# KiCad board we816.kicad_pcb (continued)
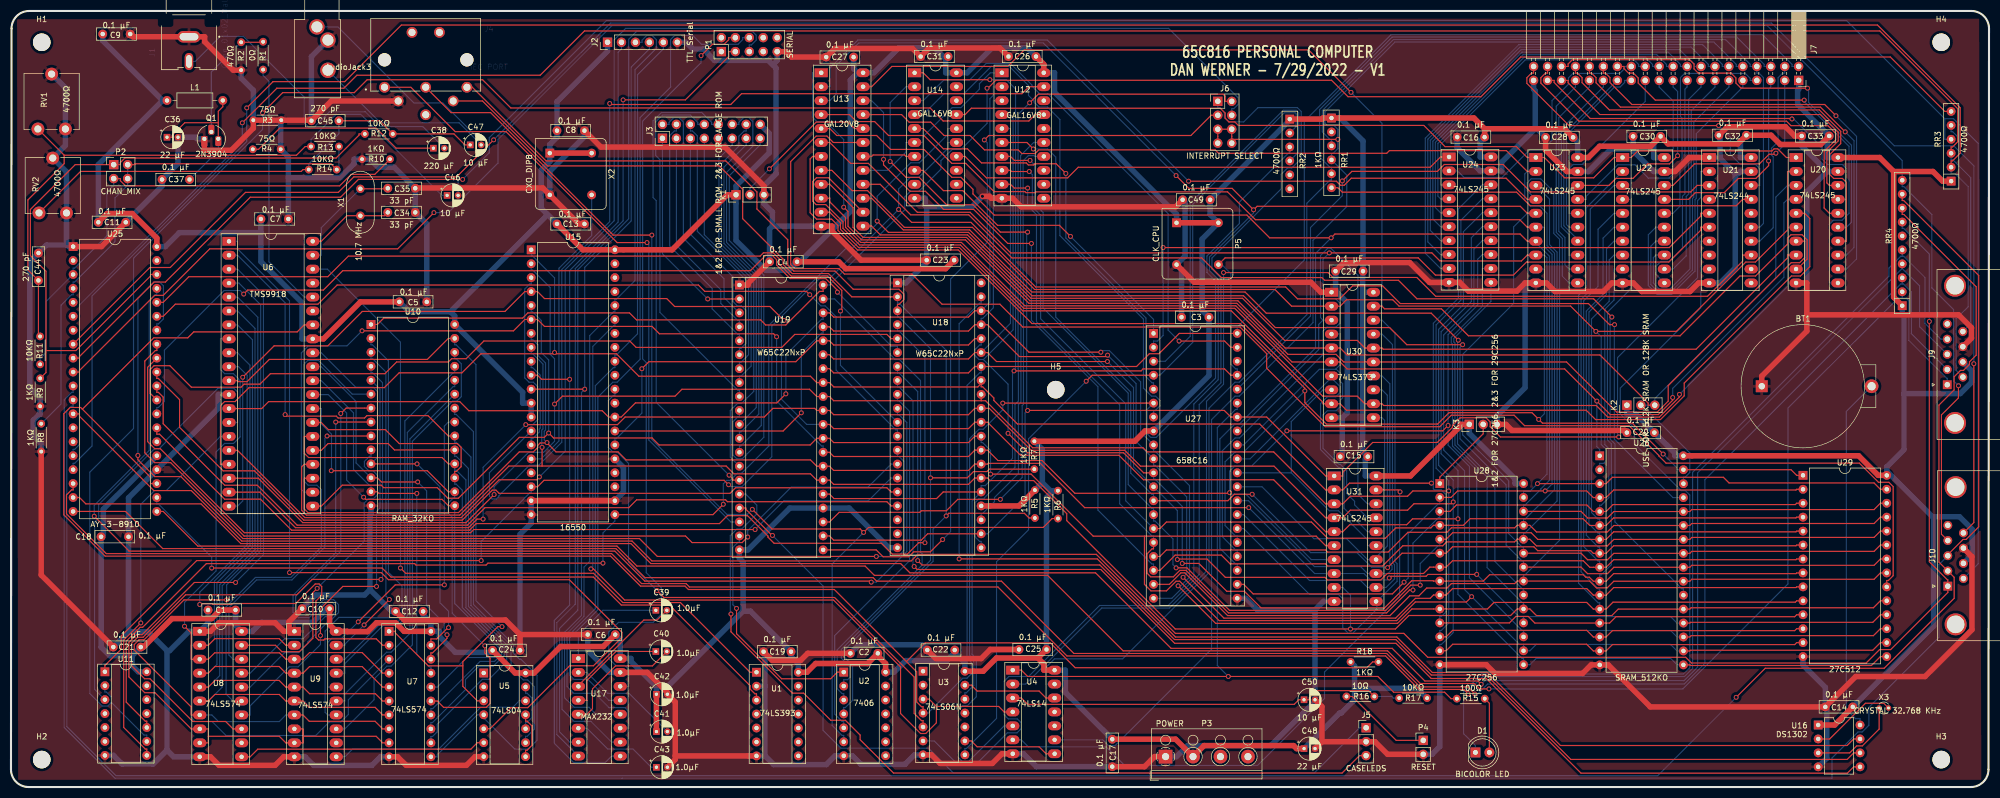
[diagram p0: board, top side]
## Routing (per net, layer and track width the routed paths; a pad name or vN(x,y) marks a point on that pad's centre or on a via; arc(x,y) is an arc through that point) (continued)
VROW: length 45.1
  Component w0.203: U8.11 43.54,5.51 44.92,6.89 83.72,6.89 84.9,8.08 U5.6
VRW: length 136.1
  Component w0.203: 82.26,22.08 82.26,22.85 88.63,29.22 v1(89.39,29.22) ; 82.26,22.08 75.95,22.08 69.98,28.06 69.98,28.37 U7.1 ; 82.26,22.08 82.26,18.35 84.9,15.7 U5.3 ; U10.27 79.62,81.74 75.79,77.91 47.02,77.91 42.98,73.86 41.42,73.86 41.25,74.04 U6.11
  Copper w0.203: U10.27 80.78,80.58 81.04,80.58 84.64,76.98 84.64,33.97 v1(89.39,29.22)
WAIT: length 121.7
  Component w0.203: v1(209.74,98.29) 301.89,98.29 307.63,104.03 307.63,104.54 U21.5
  Copper w0.203: U27.2 208,81.27 208.73,81.27 209.74,82.28 v1(209.74,98.29)
WR: length 396.3
  Component w0.203: v1(130.64,55.07) 129.83,55.89 97.03,55.89 95.86,54.71 U15.18 ; v1(291.92,84.25) 291.01,84.25 287.17,88.09 252.93,88.09 249.7,91.32 244.26,91.32 241.89,88.95 234.21,88.95 232.05,91.11 186.54,91.11 174.76,102.89 163.96,102.89 v1(161.6,105.25) ; v1(85.59,41.26) 33.8,41.26 20.06,27.52 20.06,25.12 17.1,22.16 U11.1
  Copper w0.203: v1(291.92,84.25) 291.89,84.21 291.89,63.41 302.56,52.73 304.46,52.73 ; U14.15 170.56,117.44 170.56,116.38 165.27,111.09 163.71,111.09 161.6,108.98 v1(161.6,105.25) 149.47,93.12 147.64,93.12 138.5,83.98 138.5,60.16 133.09,54.75 130.96,54.75 v1(130.64,55.07) ; U15.18 94.7,53.55 94.41,53.55 85.59,44.74 v1(85.59,41.26)
Net-(BT1-Pad1): length 65.1
  Copper w0.203: U16.8 336.62,12.46 335.8,12.46 334.12,14.13 334.12,68.42 BT1.1
Net-(C34-Pad1): length 15.8
  Component w0.203: C34.1 68,104.1 X1.1 61.15,104.1 56.49,99.44 U6.40
Net-(C35-Pad1): length 21.6
  Component w0.203: C35.1 68.5,109 X1.2
  Copper w0.203: X1.2 56.49,101.89 56.49,96.9 U6.39
Net-(C36-Pad1): length 27.6
  Component w0.203: C36.1 29.36,118.4 29.36,118.76 31.63,121.04 37.74,121.04 ; 37.74,121.04 37.74,123.12 38.56,123.94 L1.2 ; 37.74,121.04 Q1.3
  Copper w0.203: C37.1 37.74,115.94 Q1.3
Net-(C38-Pad1): length 36
  Component w0.203: C38.1 70.11,116.4 66.46,120.06 48.93,120.06 45.08,116.2 R4.2
Net-(C39-Pad1): length 20.3
  Copper w0.203: C39.1 107.76,32.2 103.29,27.73 U17.1
Net-(C39-Pad2): length 22
  Component w0.203: U17.3 103.29,18.51 115.21,30.43 117.63,30.43 C39.2
Net-(C40-Pad1): length 19.9
  Component w0.203: C40.1 110.13,24.7 104.85,19.42 104.85,15.8 U17.4
Net-(C40-Pad2): length 23
  Component w0.203: C40.2 116.77,22.07 110.05,22.07 105.86,17.89 105.86,14.28 104.85,13.26 U17.5
Net-(C41-Pad2): length 20.7
  Copper w0.203: U17.2 104.85,20.88 108.66,17.07 112.53,17.07 C41.2
Net-(C43-Pad1): length 17.2
  Copper w0.203: U17.6 104.85,10.72 108.66,6.91 113.23,6.91 116.54,3.6 C43.1
Net-(C44-Pad2): length 123.1
  Component w0.203: R11.1 5,82.4 C44.2 3.07,94.23 3.07,106.97 9.69,113.58 9.69,115.11 ; RV1.3 9.69,115.11 ; 9.69,115.11 51.98,115.11 53.56,116.7 R13.2
  Copper w0.203: R13.2 54.62,118 59.2,122.57 63.67,122.57 78.44,107.8 C46.1
Net-(C45-Pad1): length 89.3
  Component w0.203: C45.1 67.1,121.4 R12.1 80.64,119 82.64,117 C47.1 ; R14.2 53.16,112.5 52.83,112.17 12.67,112.17 RV2.3
  Copper w0.203: C45.1 59.7,119.04 54.22,113.56 R14.2
Net-(C46-Pad2): length 51.4
  Copper w0.203: J8.S 59.5,138.5 73.36,124.64 78.61,124.64 85.04,118.2 85.8,118.2 86.56,117.44 86.56,116.61 81.4,111.45 C46.2
Net-(C47-Pad2): length 33.5
  Copper w0.203: C47.2 81.57,121.03 67.27,121.03 J8.R
Net-(C50-Pad1): length 72.6
  Component w0.203: U4.3 183.93,16.22 185.08,15.06 233.61,15.06 234.44,15.9 C50.1 236.36,15.9 236.36,16.26 237.66,17.56 247.14,17.56 R16.1
  Copper w0.203: R16.1 251.36,16.5 251.66,16.2 R17.2
Net-(D1-Pad2): length 10.1
  Component w0.203: R15.1 269.14,15.26 D1.2
Net-(J4-Pad3): length 213.9
  Component w0.203: R6.2 189.54,48.92 187.92,47.3 156.13,47.3 v1(155.23,46.39) 154.6,47.02 138.53,47.02 v1(134.96,50.6) ; J4.3 80.12,122.88 87.31,122.88 109.63,100.56 v1(116.66,100.56)
  Copper w0.203: U2.6 151.6,9.4 151.31,9.4 149.5,11.21 149.5,40.66 v1(155.23,46.39) ; v1(134.96,50.6) 134.03,49.66 130.33,49.66 116.66,63.33 v1(116.66,100.56)
Net-(J6-Pad1): length 189.9
  Copper w0.203: U3.6 168.07,8.4 172.27,4.2 175.71,4.2 181.39,9.87 183.15,9.87 183.93,10.65 183.93,11.69 183.21,12.41 181.56,12.41 180.81,13.16 180.81,19.29 181.67,20.14 185.25,20.14 198.18,33.07 210.67,33.07 216.32,38.72 216.32,69.7 220.27,73.65 220.27,92.72 218.63,94.36 218.63,96.38 231.24,108.99 231.24,111.65 232.4,112.81 233.18,112.81 234.89,114.52 234.89,123.08 234.18,123.79 227.01,123.79 224.41,121.19 221.74,121.19 220.91,122.03 220.91,122.91 220.08,123.73 219.7,123.73 J6.1
Net-(K1-Pad2): length 27.3
  Component w0.203: v1(138.07,112.64) 146.58,121.15 152.39,121.15 153.56,119.98 U13.20
  Copper w0.203: v1(138.07,112.64) 134.55,109.12 134.53,109.12 K1.2
Net-(K2-Pad2): length 19.3
  Copper w0.203: 304.46,55.28 304.46,56.43 304.75,56.43 305.62,57.3 305.62,60.89 297.92,68.59 297.92,69.57 K2.2
Net-(K3-Pad2): length 14
  Component w0.203: K3.2 268.01,64.36 260.12,56.46 U28.1
Net-(P2-Pad1): length 125.4
  Component w0.203: R12.2 63.36,119 63.36,118.78 59.19,114.61 20.73,114.61 19.91,113.78 19.91,113.4 P2.1 11.69,113.4 3.53,105.24 3.53,96.83 6.37,93.99 6.37,79.53 ; 6.37,79.53 6.37,75.52 R9.1 ; 6.37,79.53 11.82,79.53 25.39,93.1 25.39,93.39 U25.38
Net-(P2-Pad2): length 97
  Component w0.203: P2.2 22.45,113.4 22.6,113.56 58.24,113.56 R14.1
  Copper w0.203: R14.1 59.7,112.9 R13.1 ; R8.1 9.12,69.82 9.12,87.8 11.02,89.69 11.31,89.69 U25.4 11.31,92.01 11.58,92.01 18.92,99.35 18.92,107.34 21.24,109.65 P2.4 P2.2
Net-(P2-Pad3): length 92.6
  Component w0.203: R10.1 66.23,111.63 61.93,111.63 59.84,109.54 20.85,109.54 19.91,110.48 19.91,110.86 P2.3
  Copper w0.203: P2.3 18.7,109.65 17.44,108.4 17.44,100.41 11.58,94.55 11.31,94.55 U25.3 6.36,88.44 6.36,79.13 5.3,78.08 R11.2
Net-(P4-Pad1): length 17.3
  Component w0.203: P4.1 252.18,8.5 244.18,16.5 R16.2
Net-(Q1-Pad2): length 22.6
  Component w0.203: R2.1 45.8,135.7 R1.1
  Copper w0.203: R2.1 36.47,130.27 Q1.2
Net-(U1-Pad3): length 127.3
  Component w0.203: v1(36.54,39.9) 67.56,39.9 69.19,38.26 106.01,38.26 111.11,33.16 119.86,33.16 134.56,18.45 134.56,17.85 135.43,16.99 135.72,16.99 U1.3
  Copper w0.203: v1(36.54,39.9) 36.54,41.88 26.82,51.59 26.55,51.59 U25.22
Net-(U3-Pad9): length 17.3
  Component w0.203: U3.9 174.82,8.4 175.89,7.33 187.16,7.33 188.43,6.06 U4.8
Net-(U3-Pad13): length 17.3
  Component w0.203: U3.13 174.82,18.56 175.89,17.49 187.16,17.49 188.43,16.22 U4.12
Net-(U5-Pad10): length 8.9
  Copper w0.203: U5.10 93.68,11.78 93.95,11.78 94.84,12.66 94.84,16.22 93.97,17.08 93.68,17.08 U5.13
Net-(U5-Pad11): length 8.9
  Component w0.203: U5.11 93.68,12 93.97,12 94.84,11.14 94.84,7.58 93.95,6.7 93.68,6.7 U5.8
Net-(U10-Pad2): length 85.1
  Copper w0.203: U9.14 57.66,13.13 57.19,13.6 57.19,28.41 59.69,30.91 65.28,30.91 65.35,30.84 70.5,30.84 71.19,31.52 71.19,36.64 68.71,39.12 68.71,77.66 65.79,80.58 65.54,80.58 U10.2
Net-(U10-Pad3): length 59.8
  Component w0.203: v1(68.88,34.17) 64.29,29.57 v1(64.29,29.54)
  Copper w0.203: v1(64.29,29.54) 60.77,26.02 60.77,25.83 U9.19 ; U10.3 65.54,78.04 65.83,78.04 68.25,75.62 68.25,34.8 v1(68.88,34.17)
Net-(U10-Pad4): length 119.1
  Component w0.203: v1(67.36,37.83) 54.81,37.83 52.01,35.02 31.78,35.02 24.05,27.29 23.05,27.29 21.93,26.17 21.93,22.13 24.33,19.73 25.3,19.73 33.1,11.94 39.08,11.94 40.43,10.59 U8.13
  Copper w0.203: U10.4 65.54,75.5 65.81,75.5 67.63,73.68 67.63,38.1 v1(67.36,37.83)
Net-(U10-Pad5): length 77.6
  Component w0.203: v1(66.55,36.55) 60.41,36.55 56.34,32.48 v1(56.34,27.6)
  Copper w0.203: U10.5 67.18,72.48 67.18,50.84 66.55,50.21 v1(66.55,36.55) ; v1(56.34,27.6) 56.34,25.97 52.27,21.91 50.65,21.91 43.54,14.79 43.54,13.13 U8.14
Net-(U10-Pad6): length 91.7
  Copper w0.203: U8.15 40.43,15.67 39.16,16.94 39.16,32.85 44.5,38.19 50.96,38.19 56.5,43.73 56.5,54.19 55.7,54.99 54.1,54.99 53.34,55.75 53.34,77.03 54.05,77.74 55.97,77.74 62.13,71.58 U10.6
Net-(U10-Pad7): length 79.9
  Component w0.203: U10.7 61.02,69.04 v1(60.04,68.06)
  Copper w0.203: U8.16 43.54,18.21 49.83,24.5 52.35,24.5 54.05,26.2 54.05,26.46 58.2,30.61 58.46,30.61 59.63,31.78 59.63,33.23 58.73,34.14 56.91,34.14 54.09,31.32 52.55,31.32 51.82,32.04 51.82,34.75 60.04,42.96 v1(60.04,68.06)
Net-(U10-Pad8): length 76.8
  Component w0.203: U10.8 v1(59.11,66.5)
  Copper w0.203: v1(59.11,66.5) 59.11,42.69 51.36,34.93 51.36,31.84 52.34,30.86 54.28,30.86 57.1,33.68 58.49,33.68 59.17,33 59.17,32.01 58.23,31.06 57.22,31.06 53.2,27.04 49.83,27.04 43.54,20.75 U8.17
Net-(U10-Pad9): length 61.7
  Component w0.203: U10.9 v1(57.55,63.96)
  Copper w0.203: U8.18 40.43,23.29 39.67,24.04 39.67,32.71 44.7,37.73 51.15,37.73 57.15,43.73 57.15,63.56 v1(57.55,63.96)
Net-(U10-Pad10): length 56.3
  Component w0.203: v1(55.74,36.19) 54.96,35.42 54.96,27.11 52.51,24.66 49.32,24.66 48.15,25.83 U8.19
  Copper w0.203: v1(55.74,36.19) 64.3,44.76 64.3,51.74 65.09,52.53 66,52.53 66.72,53.25 66.72,56.81 65.92,57.61 65.14,57.61 64.34,58.41 64.34,59.33 65.27,60.26 65.54,60.26 U10.10
Net-(U10-Pad21): length 66.4
  Component w0.203: v1(63.22,30.1) 69.95,36.83 v1(78.89,36.83)
  Copper w0.203: U10.21 79.62,66.5 78.89,65.77 v1(78.89,36.83) ; U9.16 57.66,18.21 57.66,26.34 58.42,27.1 60.22,27.1 v1(63.22,30.1)
Net-(U10-Pad23): length 66.2
  Copper w0.203: U10.23 72.62,63.42 72.62,27.97 69.21,24.56 68.38,24.56 60.77,16.95 60.77,15.67 U9.15
Net-(U10-Pad24): length 64.9
  Copper w0.203: U9.17 60.77,20.75 60.77,22.47 67.82,29.53 70.49,29.53 72.16,31.2 72.16,64.61 80.51,72.96 80.78,72.96 U10.24
Net-(U10-Pad25): length 65
  Copper w0.203: U10.25 80.78,75.5 80.51,75.5 71.7,66.7 71.7,31.39 70.48,30.17 67.65,30.17 60.77,23.29 U9.18
Net-(U10-Pad26): length 80.5
  Copper w0.203: U9.13 60.77,10.59 66.09,15.91 66.09,19.68 68.43,22.02 69.19,22.02 73.08,25.9 73.08,63 80.39,70.31 81.16,70.31 81.98,71.12 81.98,77.12 81.05,78.04 80.78,78.04 U10.26
Net-(U15-Pad15): length 16.9
  Copper w0.203: U15.9 94.7,76.41 94.97,76.41 96.35,75.04 96.35,65.39 96.17,65.21 96.17,64.66 94.99,63.49 94.7,63.49 U15.15
Net-(U16-Pad2): length 15.9
  Component w0.203: X3.2 340.94,15.26 337.6,15.26 331.09,8.76 U16.2
Net-(U16-Pad3): length 16.7
  Component w0.203: U16.3 334.73,6.22 336,7.49 337.03,7.49 340.1,10.56 X3.1
Net-(U30-Pad11): length 128.1
  Component w0.203: v1(252.88,53.79) 252.53,54.14 U31.19
  Copper w0.203: U30.11 249.59,67.29 250.07,66.81 250.07,54.14 U31.19 ; v1(252.88,53.79) 252.8,53.71 252.8,34.63 239.13,20.96 239.13,16.13 226.93,3.93 202.76,3.93 199.37,7.33 185.2,7.33 183.93,8.6 U4.6

## Copper pours and planes (outline as drawn; the poured copper is in the pictures)
GND on Component, Copper: 358.7,1.3 1.3,1.3 1.1,139.9 358.3,140

## Text on the board
F.Silkscreen: 65C816 PERSONAL COMPUTER / DAN WERNER - 7/29/2022 - V1
